# Allegro board 1156197-TDI_VU3P_QSFP28_CXP_V001_1023A-166-20241121_1644_PCB.brd (continued)
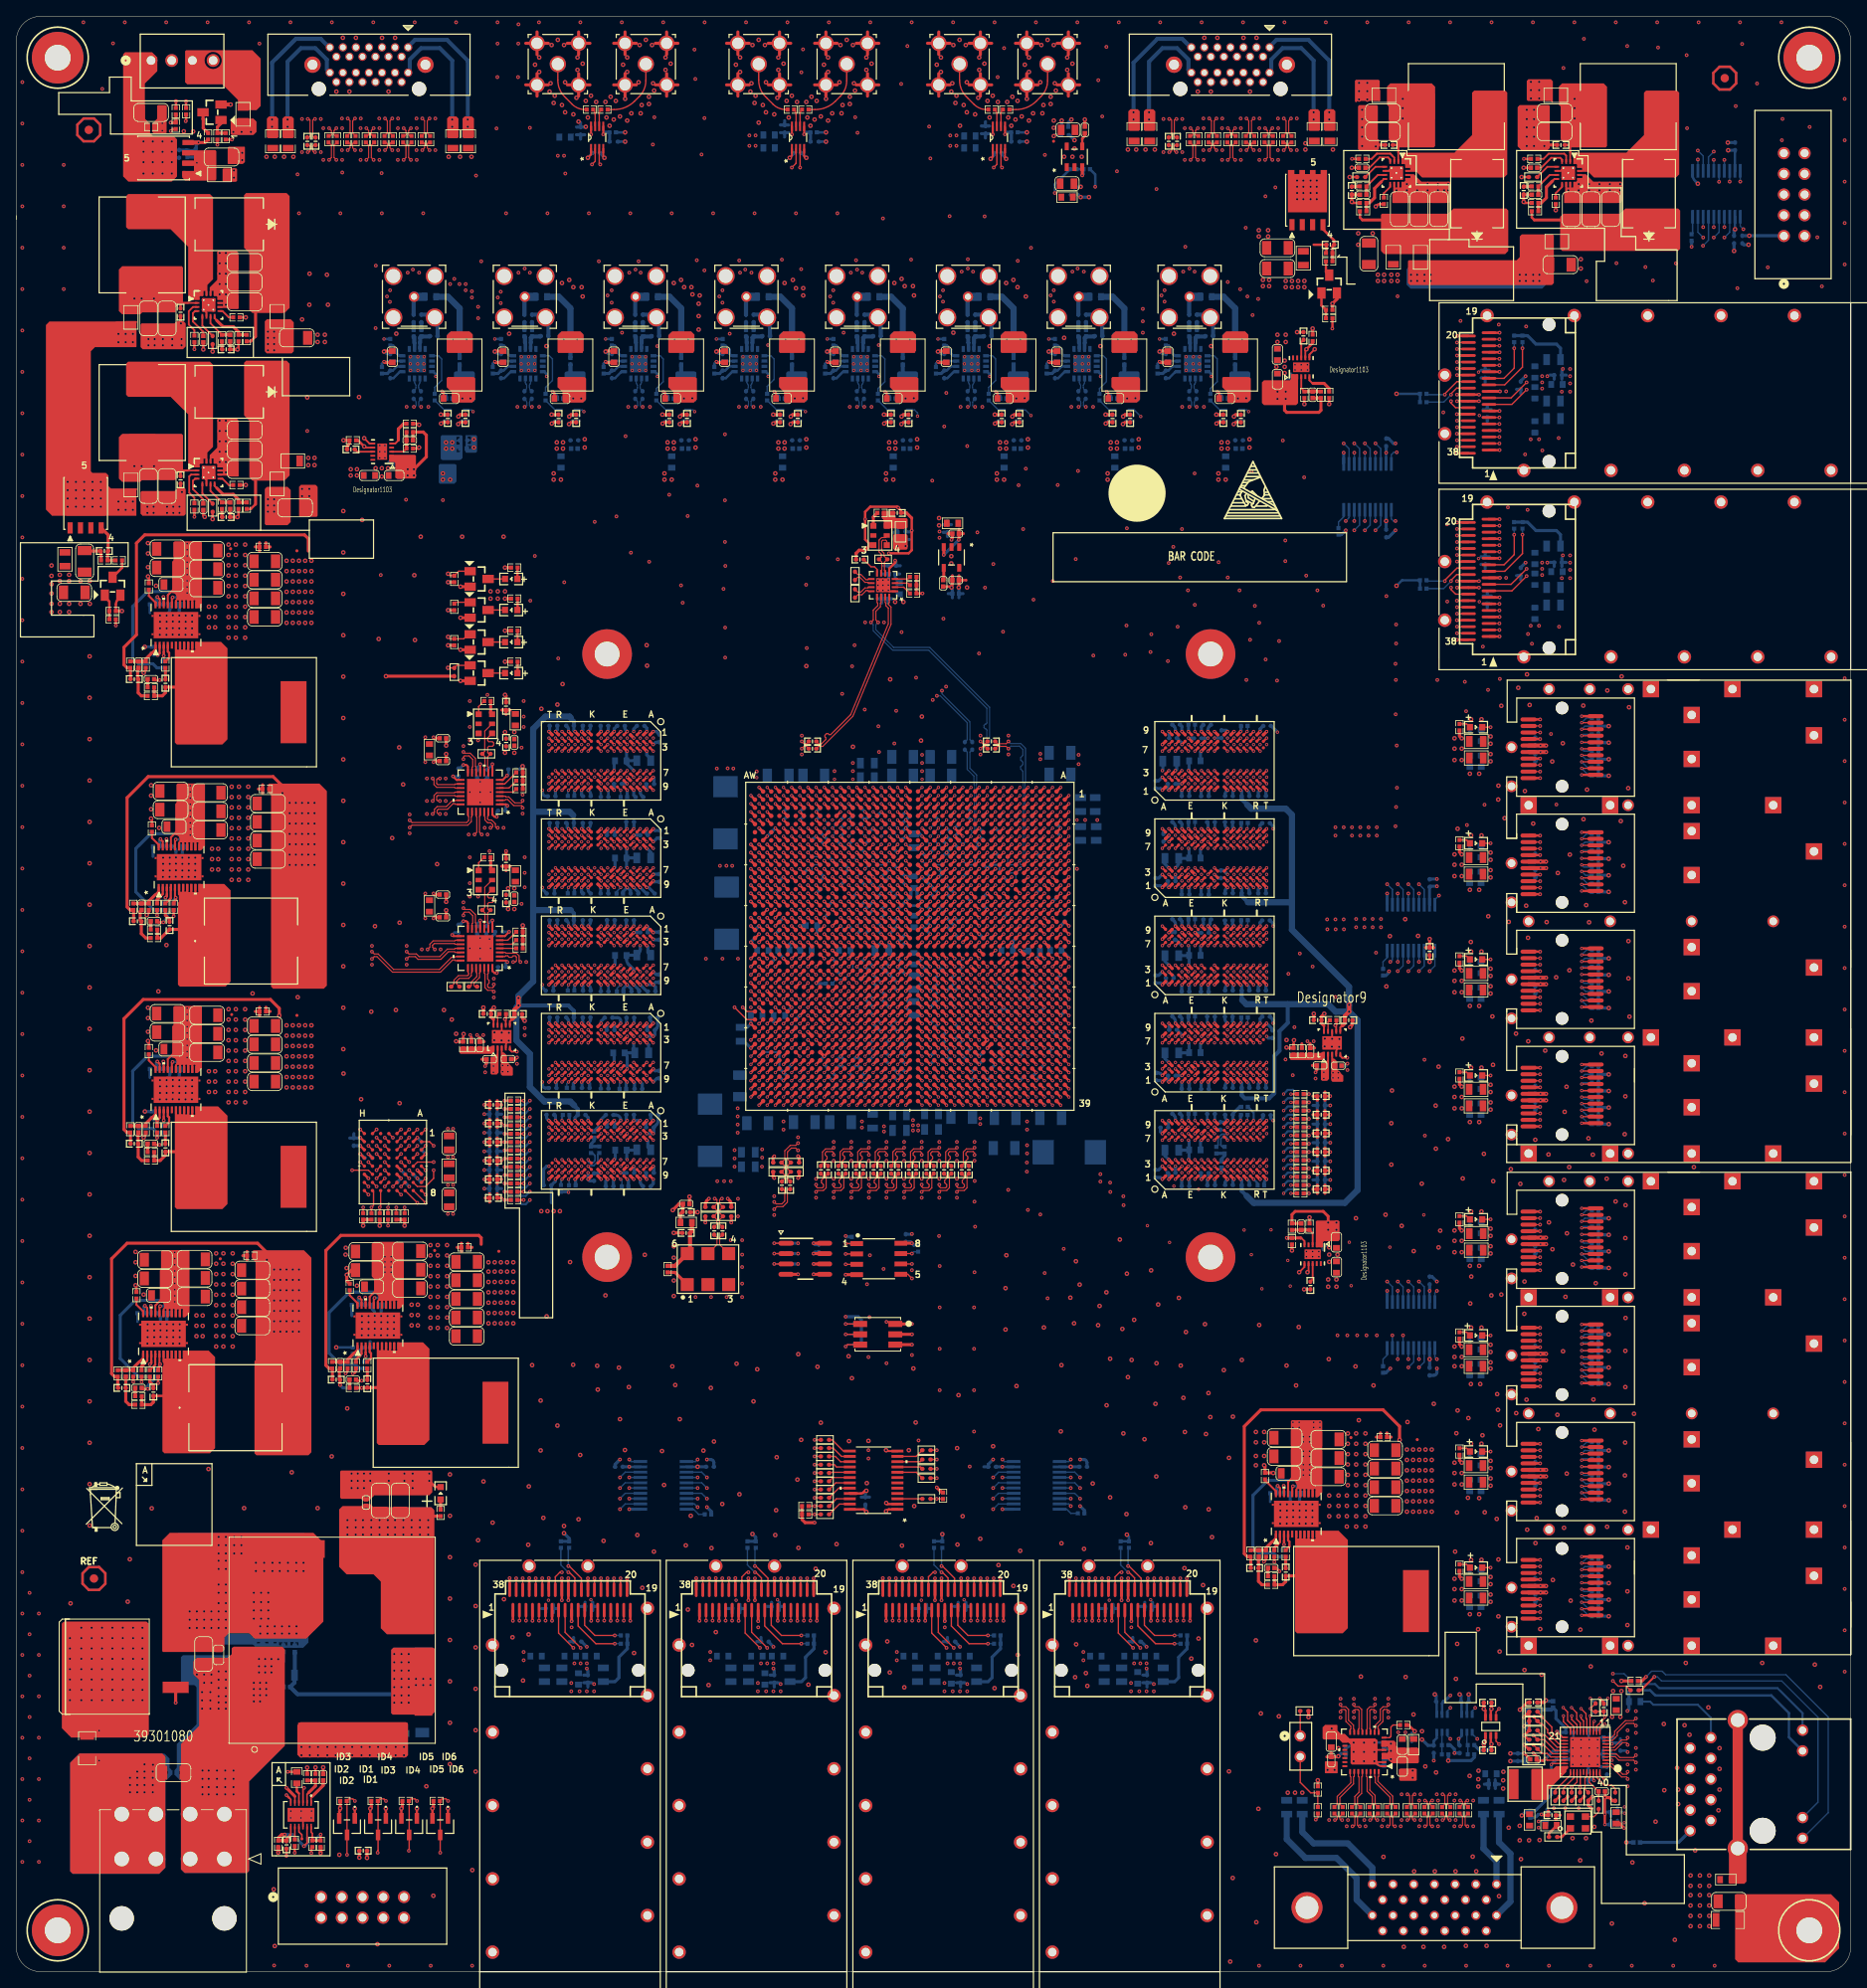
[diagram p0: board, top side]
## Nets (continued)
GND_EARTH: C787.1(CAP2) C798.2(CAP1) C799.1 MH2.1 R427.1 R428.2 U54.5(SHIELD1) U54.6(SHIELD2)
GND_FPGA_LAN: J25.17(SHELL_GND#17) J25.18(SHELL_GND#18) L68.2
VCC1V8: C1.1(CAP2) C4.1 C5.1 C6.1(CAP2) C7.1(CAP2) C8.1 C9.1 C10.1(CAP2) C11.1(CAP2) C12.1(CAP2) C20.1 C21.1(CAP2) C22.1(CAP2) C23.1(CAP2) C24.1 C25.1(CAP2) C28.1 C29.1(CAP2) C30.1(CAP2) C31.1(CAP2) C32.1 C33.1 C34.1(CAP2) C35.1(CAP2) C43.1(CAP2) C235.1 C436.1(CAP2) C460.1(CAP2) C482.1(CAP2) C500.1(CAP2) C518.1(CAP2) C538.1(CAP2) C540.1(CAP2) C563.1(CAP2) C564.1(CAP2) C585.1(CAP2) C589.1(CAP2) C609.1(CAP2) C610.1(CAP2) C627.1(CAP2) C628.1(CAP2) C685.2(CAP1) C688.1(CAP2) C689.1(CAP2) C690.1(CAP2) C691.1(CAP2) C743.1 C744.1 C755.1 C756.1 C878.1(CAP2) C884.1(CAP2) C886.1(CAP2) C888.1(CAP2) C920.1(CAP2) C922.1(CAP2) D1.2 D2.2 D3.2 D4.2 J1.4 L1.1 L3.1 L5.2 L64.1 L75.2 R2.1 R3.1 R5.1 R10.1 R11.1 R13.1 R15.1 R17.2 R18.2 R19.2 R20.2 R22.1 R23.1 R24.1 R25.1 R26.1 R27.1 R28.1 R32.1 R34.1 R38.1 R39.1 R43.2 R45.1 R47.2 R52.1 R53.1 R54.1 R55.1 R56.1 R57.1 R188.1 R222.1 R244.1 R253.1 R262.1 R311.2 R320.2 R322.2 R324.2 R326.2 R358.2 R365.2 R368.2 R498.1 R499.1 R500.1 R549.1 R553.1 R557.1 R601.1 R603.1 TP51.1(PIN1) U1.A26(VCCO0_45) U1.AA9(VCCO0_0) U1.AF8(VBATT) U1.AF29(VCCO0_65) U1.AG26(VCCO0_64) U1.AH23(VCCO1_64) U1.AJ30(VCCO1_65) U1.AK27(VCCO2_64) U1.AL24(VCCO3_64) U1.AM31(VCCO2_65) U1.AN28(VCCO3_65) U1.AP25(VCCO4_64) U1.AR22(VCCO5_64) U1.AR32(VCCO4_65) U1.AT29(VCCO5_65) U1.AU26(VCCO6_64) U1.AV23(VCCO7_64) U1.AW30(VCCO6_65) U1.B23(VCCO1_45) U1.C30(VCCO0_44) U1.D27(VCCO2_45) U1.E24(VCCO3_45) U1.F31(VCCO1_44) U1.G28(VCCO2_44) U1.H25(VCCO4_45) U1.J32(VCCO3_44) U1.K29(VCCO4_44) U1.L26(VCCO5_45) U1.M23(VCCO6_45) U1.N30(VCCO5_44) U1.P27(VCCO6_44) U1.W9(VCCO1_0) U2.8(VCC) U4.2(VCCA) U6.8(VS) U19.2(VCCA) U20.2(VCCA) U21.2(VCCA) U22.2(VCCA) U23.2(VCCA) U24.6(VCCB) U25.6(VCCB) U28.6(VCCB) U29.6(VCCB) U32.6(VCCB) U33.6(VCCB) U36.6(VCCB) U37.6(VCCB) U41.6(VCCB) U49.6(SS_CTRL) U49.9(IN) U49.10(IN_1) U51.6(SS_CTRL) U51.9(IN) U51.10(IN_1) U63.24(VCC) U64.1(VCCA) U65.1(VCCA) U66.1(VCCA) U69.1(VCCA) U70.1(VCCA)
VCC3V3: C26.1(CAP2) C27.1(CAP2) C41.1(CAP2) C42.1 C427.1 C428.1(CAP2) C432.1 C433.1(CAP2) C437.1(CAP2) C438.1 C439.1(CAP2) C444.1 C445.1(CAP2) C450.1 C451.1(CAP2) C453.1 C458.1(CAP2) C461.1(CAP2) C464.1 C465.1(CAP2) C470.1 C471.1(CAP2) C476.1 C477.1(CAP2) C485.1(CAP2) C486.1 C487.1(CAP2) C494.1 C495.1(CAP2) C503.1(CAP2) C504.1 C505.1(CAP2) C512.1 C513.1(CAP2) C519.1(CAP2) C522.1 C523.1(CAP2) C626.2(CAP1) C632.1(CAP2) C639.1 C700.2(CAP1) C703.1(CAP2) C704.1(CAP2) C705.1(CAP2) C706.1(CAP2) C748.1 C749.1 C761.1(CAP2) C852.1(CAP2) C853.1 C854.1 C859.1(CAP2) C860.1 C861.1 C869.1(CAP2) C870.1 C871.1 C889.2(CAP1) C919.2(CAP1) C923.2(CAP1) J2.1 J2.2 L4.2 L6.1 L7.1 L8.1 L9.1 L10.1 L11.1 L12.1 L13.1 L14.1 L15.1 L16.1 L17.1 L18.1 L19.1 L20.1 L21.1 L22.1 L23.1 L24.1 L25.1 L26.1 L27.1 L28.1 L29.1 L30.1 L31.1 L32.1 L33.1 L34.1 L35.1 L36.1 L37.1 L38.1 L39.1 L65.1 L70.1 L71.1 L76.1 L79.1 L103.2 L104.1 L105.2 L106.1 L107.2 L108.1 L109.1 L111.1 L112.1 L114.1 R7.1 R50.1 R51.1 R170.1 R171.1 R172.1 R173.1 R174.1 R175.1 R176.1 R177.1 R178.1 R179.1 R180.1 R181.1 R182.1 R183.1 R184.1 R185.1 R186.1 R187.1 R189.1 R190.1 R191.1 R192.1 R193.1 R194.1 R195.1 R196.1 R197.1 R198.1 R199.1 R200.1 R201.1 R202.1 R203.2 R204.2 R205.2 R206.2 R207.1 R208.1 R209.1 R210.1 R211.1 R212.1 R213.1 R214.1 R215.1 R216.1 R217.1 R218.1 R219.1 R220.1 R221.1 R223.1 R224.1 R225.1 R226.1 R227.1 R228.1 R229.1 R230.1 R231.1 R232.1 R233.1 R234.1 R235.1 R236.1 R237.1 R238.1 R239.1 R240.2 R241.2 R242.2 R243.2 R245.1 R246.1 R247.1 R248.1 R249.1 R250.1 R251.1 R252.1 R254.1 R255.1 R256.1 R257.1 R258.1 R259.1 R260.1 R261.1 R263.1 R264.1 R265.1 R266.1 R267.1 R268.1 R269.1 R270.1 R312.2 R315.2 R328.2 R329.2 R330.1 R370.2 R380.1 R406.1 R578.1 R586.1 TP53.1(PIN1) U4.19(VCCB) U19.19(VCCB) U20.19(VCCB) U21.19(VCCB) U22.19(VCCB) U23.19(VCCB) U41.1(VCCA) U50.6(SS_CTRL) U50.7(EN) U50.9(IN) U50.10(IN_1) U69.6(VCCB) U70.6(VCCB)
VCC5V: C780.1(CAP2) C781.1(CAP2) L110.1 L113.1 R426.2 TP62.1(PIN1) U53.5(VOUT)
VCC12V: C654.1(CAP2) C662.1(CAP2) C663.1(CAP2) C664.1(CAP2) C665.1(CAP2) C666.1(CAP2) C671.1(CAP2) C678.1(CAP2) C679.1(CAP2) C680.1(CAP2) C681.1(CAP2) C682.1(CAP2) C686.1(CAP2) C693.1(CAP2) C694.1(CAP2) C695.1(CAP2) C696.1(CAP2) C697.1(CAP2) C701.1(CAP2) C708.1(CAP2) C709.1(CAP2) C710.1(CAP2) C711.1(CAP2) C712.1(CAP2) C716.1(CAP2) C723.1(CAP2) C724.1(CAP2) C725.1(CAP2) C726.1(CAP2) C727.1(CAP2) C731.1(CAP2) C738.1(CAP2) C739.1(CAP2) C740.1(CAP2) C741.1(CAP2) C742.1(CAP2) C772.1(CAP2) C795.1 C796.1 C797.2(CAP1) C905.1(CAP2) C906.1(CAP2) L82.1 L115.1 L117.1 L118.1 R345.1 R429.1 TP64.1(PIN1) U43.12(VIN) U43.13(VIN_1) U43.14(VIN_2) U43.15(VIN_3) U43.16(VIN_4) U43.17(VIN_5) U43.19(VDD) U44.12(VIN) U44.13(VIN_1) U44.14(VIN_2) U44.15(VIN_3) U44.16(VIN_4) U44.17(VIN_5) U44.19(VDD) U45.12(VIN) U45.13(VIN_1) U45.14(VIN_2) U45.15(VIN_3) U45.16(VIN_4) U45.17(VIN_5) U45.19(VDD) U46.12(VIN) U46.13(VIN_1) U46.14(VIN_2) U46.15(VIN_3) U46.16(VIN_4) U46.17(VIN_5) U46.19(VDD) U47.12(VIN) U47.13(VIN_1) U47.14(VIN_2) U47.15(VIN_3) U47.16(VIN_4) U47.17(VIN_5) U47.19(VDD) U48.12(VIN) U48.13(VIN_1) U48.14(VIN_2) U48.15(VIN_3) U48.16(VIN_4) U48.17(VIN_5) U48.19(VDD) U54.7(QPI+1) U54.8(QPI+2) U54.9(QPI+3) U54.10(THERM1)
VCC12V_BST1: C807.1 C808.1 C809.1 C810.1(CAP2) L89.2 L90.1 R439.2 U56.2(VIN)
VCC12V_BST2: C818.1 C819.1 C820.1 C825.1(CAP2) L93.2 L94.1 R447.2 U57.2(VIN)
VCC12V_BST3: C829.1 C830.1 C831.1 C835.1(CAP2) L96.2 L97.1 R454.2 U58.2(VIN)
VCC12V_BST4: C840.1 C841.1 C842.1 C847.1(CAP2) L100.2 L101.1 R460.2 U59.2(VIN)
VCC12V_IN: C787.2(CAP1) C788.1 C789.1 C790.2(CAP1) C791.2(CAP1) C792.2(CAP1) C793.1 C794.2(CAP1) C802.1 C803.1 C804.2(CAP1) Q5.S R432.2 R434.2 TP63.1(PIN1) U54.11(THERM2) U54.12(BUS+1) U54.13(BUS+2) U54.14(BUS+3) U55.3(OUT)
VCC12V_IN_CON: C800.1 C801.2(CAP1) J26.3(PWR#3) J26.4(PWR#4) J26.7(PWR#7) J26.8(PWR#8) R430.2 R433.2 R435.1 U55.6(VCC)
VCC_1V8_EN: R371.1 U45.2(EN)
VCC_1V8_GOOD: R367.2 R372.2 U45.3(PGOOD)
VCC_3V3_EN: R372.1 U46.2(EN)
VCC_3V3_GOOD: R381.2 R383.2 U46.3(PGOOD)
VDD10: C634.1 C637.1 C638.1(CAP2) L66.1 L69.1 L72.1
100M_N: C37.2(CAP1) U5.5(OUT-)
100M_P: C36.2(CAP1) U5.4(OUT+)
125M_N: R476.2 U61.10(IN0_N) X2.5(CLKN)
125M_P: R476.1 U61.9(IN0_P) X2.4(CLKP)
156M25_N: R483.2 U62.10(IN0_N) X3.5(CLKN)
156M25_P: R483.1 U62.9(IN0_P) X3.4(CLKP)
CHA_1V25_CXP1: C535.2(CAP1) C539.2(CAP1) C541.2(CAP1) C766.1 C768.1(CAP2) L41.2 L80.2 R274.2 U24.1(VCCA) U26.8(TEST0) U26.15(VCC)
CHA_1V25_CXP2: C533.2(CAP1) C536.2(CAP1) C537.2(CAP1) C770.1 C773.1(CAP2) L40.2 L83.2 R273.2 U25.1(VCCA) U27.8(TEST0) U27.15(VCC)
CHA_1V25_CXP3: C559.2(CAP1) C562.2(CAP1) C565.2(CAP1) C776.1 C778.1(CAP2) L47.2 L85.2 R284.2 U28.1(VCCA) U30.8(TEST0) U30.15(VCC)
CHA_1V25_CXP4: C557.2(CAP1) C560.2(CAP1) C561.2(CAP1) C782.1 C785.1(CAP2) L46.2 L87.2 R283.2 U29.1(VCCA) U31.8(TEST0) U31.15(VCC)
CHA_1V25_CXP5: C583.2(CAP1) C586.2(CAP1) C587.2(CAP1) C767.1 C769.1(CAP2) L53.2 L81.2 R294.2 U32.1(VCCA) U34.8(TEST0) U34.15(VCC)
CHA_1V25_CXP6: C581.2(CAP1) C584.2(CAP1) C588.2(CAP1) C771.1 C774.1(CAP2) L52.2 L84.2 R293.2 U33.1(VCCA) U35.8(TEST0) U35.15(VCC)
CHA_1V25_CXP7: C607.2(CAP1) C611.2(CAP1) C613.2(CAP1) C777.1 C779.1(CAP2) L59.2 L86.2 R304.2 U37.1(VCCA) U38.8(TEST0) U38.15(VCC)
CHA_1V25_CXP8: C605.2(CAP1) C608.2(CAP1) C612.2(CAP1) C783.1 C786.1(CAP2) L58.2 L88.2 R303.2 U36.1(VCCA) U39.8(TEST0) U39.15(VCC)
CHA_12V_FAN: C900.1(CAP2) C901.1(CAP2) J36.1(P1) Q6.5 Q6.6 Q6.7 Q6.8 R583.1 TP73.1(PIN1)
CHA_24V_1: C811.1 C812.1 C813.1 D5.1 L91.1 L92.1 R440.2 TP67.1(PIN1)
CHA_24V_2: C821.1 C822.1 C823.1 D6.1 L95.1 R446.2 TP68.1(PIN1)
CHA_24V_3: C832.1 C833.1 C834.1 D7.1 L98.1 L99.1 R453.2 TP69.1(PIN1)
CHA_24V_4: C843.1 C844.1 C846.1 D8.1 L102.1 R461.2 TP70.1(PIN1)
CHA_AGND: C2.2(CAP1) C3.2(CAP1) L2.2 U1.AA16(VREFP) U1.W15(GNDADC) U1.Y15(VREFN)
CHA_BPI_FLASH_A0: TP5.1(PIN1) U1.AK29(IO_L16P_T2U_N6_QBC_AD3P_A00_D16) U3.A1
CHA_BPI_FLASH_A1: U1.AK30(IO_L16N_T2U_N7_QBC_AD3N_A01_D17) U3.B1(A2)
CHA_BPI_FLASH_A2: U1.AK28(IO_L15P_T2L_N4_AD11P_A02_D18_65) U3.C1(A3)
CHA_BPI_FLASH_A3: U1.AL28(IO_L15N_T2L_N5_AD11N_A03_D19_65) U3.D1(A4)
CHA_BPI_FLASH_A4: U1.AL30(IO_L14P_T2L_N2_GC_A04_D20_65) U3.D2(A5)
CHA_BPI_FLASH_A5: U1.AM30(IO_L14N_T2L_N3_GC_A05_D21_65) U3.A2(A6)
CHA_BPI_FLASH_A6: U1.AL32(IO_L13P_T2L_N0_GC_QBC_A06_D22_6) U3.C2(A7)
CHA_BPI_FLASH_A7: U1.AM32(IO_L13N_T2L_N1_GC_QBC_A07_D23_6) U3.A3(A8)
CHA_BPI_FLASH_A8: U1.AP31(IO_L12P_T1U_N10_GC_A08_D24_65) U3.B3(A9)
CHA_BPI_FLASH_A9: U1.AP32(IO_L12N_T1U_N11_GC_A09_D25_65) U3.C3(A10)
CHA_BPI_FLASH_A10: U1.AN30(IO_L11P_T1U_N8_GC_A10_D26_65) U3.D3(A11)
CHA_BPI_FLASH_A11: U1.AN31(IO_L11N_T1U_N9_GC_A11_D27_65) U3.C4(A12)
CHA_BPI_FLASH_A12: U1.AN29(IO_L10P_T1U_N6_QBC_AD4P_A12_D28) U3.A5(A13)
CHA_BPI_FLASH_A13: U1.AP29(IO_L10N_T1U_N7_QBC_AD4N_A13_D29) U3.B5(A14)
CHA_BPI_FLASH_A14: U1.AN32(IO_L9P_T1L_N4_AD12P_A14_D30_65) U3.C5(A15)
CHA_BPI_FLASH_A15: U1.AN33(IO_L9N_T1L_N5_AD12N_A15_D31_65) U3.D7(A16)
CHA_BPI_FLASH_A16: U1.AR29(IO_L8P_T1L_N2_AD5P_A16_65) U3.D8(A17)
CHA_BPI_FLASH_A17: U1.AR30(IO_L8N_T1L_N3_AD5N_A17_65) U3.A7(A18)
CHA_BPI_FLASH_A18: U1.AP28(IO_L7P_T1L_N0_QBC_AD13P_A18_65) U3.B7(A19)
CHA_BPI_FLASH_A19: U1.AR28(IO_L7N_T1L_N1_QBC_AD13N_A19_65) U3.C7(A20)
CHA_BPI_FLASH_A20: U1.AR31(IO_L6P_T0U_N10_AD6P_A20_65) U3.C8(A21)
CHA_BPI_FLASH_A21: U1.AT31(IO_L6N_T0U_N11_AD6N_A21_65) U3.A8(A22)
CHA_BPI_FLASH_A22: U1.AV31(IO_L5P_T0U_N8_AD14P_A22_65) U3.G1(A23)
CHA_BPI_FLASH_A23: U1.AW31(IO_L5N_T0U_N9_AD14N_A23_65) U3.H8(A24)
CHA_BPI_FLASH_A24: U1.AT30(IO_L4P_T0U_N6_DBC_AD7P_A24_65) U3.B6(A25)
CHA_BPI_FLASH_A25: U1.AU30(IO_L4N_T0U_N7_DBC_AD7N_A25_65) U3.B8(A26)
CHA_BPI_FLASH_A26: U1.AT28(IO_L3P_T0L_N4_AD15P_A26_65) U3.H1(A27)
CHA_BPI_FLASH_ADV_B: R26.2 TP6.1(PIN1) U1.AM33(IO_T2U_N12_CSI_ADV_B_65) U3.F6(ADV_B)
CHA_BPI_FLASH_CE_B: R24.2 U1.AE8(RDWR_FCS_B_0) U3.B4(CE_B)
CHA_BPI_FLASH_CLK: R1.1 TP8.1(PIN1) U3.E6(CLK)
CHA_BPI_FLASH_D0: U1.AB8(D00_MOSI_0) U3.F2(DQ0)
CHA_BPI_FLASH_D1: U1.AD8(D01_DIN_0) U3.E2(DQ1)
CHA_BPI_FLASH_D2: U1.Y8(D02_0) U3.G3(DQ2)
CHA_BPI_FLASH_D3: U1.AC8(D03_0) U3.E4(DQ3)
CHA_BPI_FLASH_D4: TP7.1(PIN1) U1.AF30(IO_L22P_T3U_N6_DBC_AD0P_D04_65) U3.E5(DQ4)
CHA_BPI_FLASH_D5: U1.AG30(IO_L22N_T3U_N7_DBC_AD0N_D05_65) U3.G5(DQ5)
CHA_BPI_FLASH_D6: U1.AF28(IO_L21P_T3L_N4_AD8P_D06_65) U3.G6(DQ6)
CHA_BPI_FLASH_D7: U1.AG28(IO_L21N_T3L_N5_AD8N_D07_65) U3.H7(DQ7)
CHA_BPI_FLASH_D8: U1.AH30(IO_L20P_T3L_N2_AD1P_D08_65) U3.E1(DQ8)
CHA_BPI_FLASH_D9: U1.AH31(IO_L20N_T3L_N3_AD1N_D09_65) U3.E3(DQ9)
CHA_BPI_FLASH_D10: U1.AG27(IO_L19P_T3L_N0_DBC_AD9P_D10_65) U3.F3(DQ10)
CHA_BPI_FLASH_D11: U1.AH27(IO_L19N_T3L_N1_DBC_AD9N_D11_65) U3.F4(DQ11)
CHA_BPI_FLASH_D12: U1.AK31(IO_L18P_T2U_N10_AD2P_D12_65) U3.F5(DQ12)
CHA_BPI_FLASH_D13: U1.AL31(IO_L18N_T2U_N11_AD2N_D13_65) U3.H5(DQ13)
CHA_BPI_FLASH_D14: U1.AM28(IO_L17P_T2U_N8_AD10P_D14_65) U3.G7(DQ14)
CHA_BPI_FLASH_D15: U1.AM29(IO_L17N_T2U_N9_AD10N_D15_65) U3.E7(DQ15)
CHA_BPI_FLASH_OE_B: R25.2 TP3.1(PIN1) U1.AV29(IO_L2P_T0L_N2_FOE_B_65) U3.F8(OE_B)
CHA_BPI_FLASH_RST_B: R4.1 U3.D4(RST_B)
CHA_BPI_FLASH_WAIT: R29.2 U1.AU29(IO_T0U_N12_VRP_A28_65)
CHA_BPI_FLASH_WE_B: R28.2 TP4.1(PIN1) U1.AV30(IO_L2N_T0L_N3_FWE_FCS2_B_65) U3.G8(WE_B)
CHA_CXP1_TXLF: R280.2 U24.3(A)
CHA_CXP1_TXLF_1V8: U1.D23(IO_L5P_T0U_N8_AD14P_45) U24.4(B)
CHA_CXP2_1V25: C757.2(CAP1) C758.1 C759.1 L81.1 L84.1 L86.1 L88.1 R418.1 R419.1 R420.2 TP60.1(PIN1) U51.1(OUT) U51.2(OUT_1)
CHA_CXP2_1V25_EN: R422.2 U1.C27(IO_L6N_T0U_N11_AD6N_45) U51.7(EN)
CHA_CXP2_24V_PWREN: R598.2 U1.B25(IO_L4P_T0U_N6_DBC_AD7P_45)
CHA_CXP2_TXLF: R279.2 U25.3(A)
CHA_CXP2_TXLF_1V8: U1.C23(IO_L5N_T0U_N9_AD14N_45) U25.4(B)
CHA_CXP3_TXLF: R290.2 U28.3(A)
CHA_CXP3_TXLF_1V8: U1.C24(IO_L3P_T0L_N4_AD15P_45) U28.4(B)
CHA_CXP4_TXLF: R289.2 U29.3(A)
CHA_CXP4_TXLF_1V8: U1.A24(IO_L1N_T0L_N1_DBC_45) U29.4(B)
CHA_CXP5_TXLF: R300.2 U32.3(A)
CHA_CXP5_TXLF_1V8: U1.C26(IO_L6P_T0U_N10_AD6P_45) U32.4(B)
CHA_CXP6_TXLF: R299.2 U33.3(A)
CHA_CXP6_TXLF_1V8: U1.A25(IO_L4N_T0U_N7_DBC_AD7N_45) U33.4(B)
CHA_CXP7_TXLF: R310.2 U37.3(A)
CHA_CXP7_TXLF_1V8: U1.B26(IO_L2P_T0L_N2_45) U37.4(B)
CHA_CXP8_TXLF: R309.2 U36.3(A)
CHA_CXP8_TXLF_1V8: U1.B27(IO_L2N_T0L_N3_45) U36.4(B)
CHA_CXP_1V25: C745.2(CAP1) C746.1 C747.1 L80.1 L83.1 L85.1 L87.1 R409.1 R411.1 R412.2 TP58.1(PIN1) U49.1(OUT) U49.2(OUT_1)
CHA_CXP_1V25_EN: R417.2 U1.B24(IO_L3N_T0L_N5_AD15N_45) U49.7(EN)
CHA_CXP_24V_1: C530.2(CAP1) C531.2(CAP1) C532.2(CAP1) C534.2(CAP1) C814.1 L42.2 L43.2 L91.2 R271.2 R272.2
CHA_CXP_24V_2: C554.2(CAP1) C555.2(CAP1) C556.2(CAP1) C558.2(CAP1) C824.1 L48.2 L49.2 L92.2 L95.2 R281.2 R282.2
CHA_CXP_24V_3: C578.2(CAP1) C579.2(CAP1) C580.2(CAP1) C582.2(CAP1) C836.1 L54.2 L55.2 L98.2 R291.2 R292.2
CHA_CXP_24V_4: C602.2(CAP1) C603.2(CAP1) C604.2(CAP1) C606.2(CAP1) C845.1 L60.2 L61.2 L99.2 L102.2 R301.2 R302.2
CHA_CXP_24V_PWREN: R594.2 U1.A23(IO_L1P_T0L_N0_DBC_45)
CHA_DDR4_2V5: C236.1(CAP2) C237.1(CAP2) C263.1(CAP2) C264.1(CAP2) C278.1(CAP2) C279.1(CAP2) C280.1(CAP2) C281.1(CAP2) C313.2(CAP1) C325.1(CAP2) C326.1(CAP2) C330.1(CAP2) C331.1(CAP2) C357.1(CAP2) C358.1(CAP2) C372.1(CAP2) C373.1(CAP2) C374.1(CAP2) C375.1(CAP2) C407.2(CAP1) C419.1(CAP2) C420.1(CAP2) C750.2(CAP1) C751.1 C752.1 R112.1 R154.1 R410.1 R413.1 R414.1 TP59.1(PIN1) U7.B1(VPP1) U7.R9(VPP2) U8.B1(VPP1) U8.R9(VPP2) U9.B1(VPP1) U9.R9(VPP2) U10.B1(VPP1) U10.R9(VPP2) U11.B1(VPP1) U11.R9(VPP2) U12.7(EN) U12.10(VIN) U13.B1(VPP1) U13.R9(VPP2) U14.B1(VPP1) U14.R9(VPP2) U15.B1(VPP1) U15.R9(VPP2) U16.B1(VPP1) U16.R9(VPP2) U17.B1(VPP1) U17.R9(VPP2) U18.7(EN) U18.10(VIN) U50.1(OUT) U50.2(OUT_1)
CHA_DDR4_C1_VREF: C250.1(CAP2) C265.1(CAP2) C282.1(CAP2) C283.1(CAP2) C327.1(CAP2) C328.1(CAP2) U7.M1(VREFCA) U8.M1(VREFCA) U9.M1(VREFCA) U10.M1(VREFCA) U11.M1(VREFCA) U12.6(REFOUT)
CHA_DDR4_C1_VTT: C308.1(CAP2) C309.1(CAP2) C310.1(CAP2) C311.1(CAP2) C312.1(CAP2) C314.1(CAP2) C316.1(CAP2) C317.1(CAP2) C318.1(CAP2) C319.1(CAP2) C320.1(CAP2) C321.1 C322.1 R92.1 R95.2 R96.2 R97.2 R98.2 R99.2 R100.2 R101.2 R102.2 R103.2 R104.2 R105.2 R106.2 R107.2 R108.2 R109.2 R110.2 R113.2 R114.2 R116.2 R117.2 R118.2 R119.2 R120.2 R122.2 R124.2 U12.3(VO) U12.5(VOSEN)
CHA_DDR4_C2_VREF: C344.1(CAP2) C359.1(CAP2) C376.1(CAP2) C377.1(CAP2) C421.1(CAP2) C422.1(CAP2) U13.M1(VREFCA) U14.M1(VREFCA) U15.M1(VREFCA) U16.M1(VREFCA) U17.M1(VREFCA) U18.6(REFOUT)
CHA_DDR4_C2_VTT: C402.1(CAP2) C403.1(CAP2) C404.1(CAP2) C405.1(CAP2) C406.1(CAP2) C408.1(CAP2) C410.1(CAP2) C411.1(CAP2) C412.1(CAP2) C413.1(CAP2) C414.1(CAP2) C415.1 C416.1 R135.1 R138.2 R139.2 R140.2 R141.2 R142.2 R143.2 R144.2 R145.2 R146.2 R147.2 R148.2 R149.2 R150.2 R151.2 R152.2 R153.2 R156.2 R157.2 R159.2 R160.2 R161.2 R162.2 R163.2 R165.2 R167.2 U18.3(VO) U18.5(VOSEN)
CHA_DDR4_CLK1_N_200M: C55.2(CAP1) R64.1 R66.1 R68.2 TP12.1(PIN1) U1.AM9(IO_L12N_T1U_N11_GC_68)
CHA_DDR4_CLK1_P_200M: C54.2(CAP1) R64.2 R65.1 R67.2 TP11.1(PIN1) U1.AM10(IO_L12P_T1U_N10_GC_68)
CHA_DDR4_CLK2_N_200M: C72.2(CAP1) R75.1 R77.1 R79.2 TP14.1(PIN1) U1.G10(IO_L12N_T1U_N11_GC_47)
CHA_DDR4_CLK2_P_200M: C71.2(CAP1) R75.2 R76.1 R78.2 TP13.1(PIN1) U1.G11(IO_L12P_T1U_N10_GC_47)
CHA_DEBUG_LED0: Q2.1(GATE) R58.2 U1.AF26(IO_T3U_N12_64)
CHA_DEBUG_LED1: Q3.1(GATE) R59.2 U1.AT23(IO_T1U_N12_64)
CHA_FAN_FG: R586.2 R589.1 U4.13(B7)
CHA_FAN_FG_1V8: U1.F33(IO_T2U_N12_44) U4.8(A7)
CHA_FAN_PWM: R590.1 U4.12(B8)
CHA_FAN_PWM_1V8: U1.H31(IO_L12N_T1U_N11_GC_44) U4.9(A8)
CHA_FAN_PWREN: R587.2 U1.K27(IO_T2U_N12_45)
CHA_FPGA_DDR4_C1_A0: R95.1 U1.AH9(IO_L4N_T0U_N7_DBC_AD7N_68) U7.P3(A0) U8.P3(A0) U9.P3(A0) U10.P3(A0) U11.P3(A0)
CHA_FPGA_DDR4_C1_A1: R96.1 U1.AL10(IO_L9N_T1L_N5_AD12N_68) U7.P7(A1) U8.P7(A1) U9.P7(A1) U10.P7(A1) U11.P7(A1)
CHA_FPGA_DDR4_C1_A2: R97.1 U1.AJ11(IO_L6P_T0U_N10_AD6P_68) U7.R3(A2) U8.R3(A2) U9.R3(A2) U10.R3(A2) U11.R3(A2)
CHA_FPGA_DDR4_C1_A3: R98.1 U1.AR8(IO_L13N_T2L_N1_GC_QBC_68) U7.N7(A3) U8.N7(A3) U9.N7(A3) U10.N7(A3) U11.N7(A3)
CHA_FPGA_DDR4_C1_A4: R99.1 U1.AJ9(IO_L2P_T0L_N2_68) U7.N3(A4) U8.N3(A4) U9.N3(A4) U10.N3(A4) U11.N3(A4)
CHA_FPGA_DDR4_C1_A5: R100.1 U1.AM12(IO_T1U_N12_68) U7.P8(A5) U8.P8(A5) U9.P8(A5) U10.P8(A5) U11.P8(A5)
CHA_FPGA_DDR4_C1_A6: R101.1 U1.AH12(IO_L3P_T0L_N4_AD15P_68) U7.P2(A6) U8.P2(A6) U9.P2(A6) U10.P2(A6) U11.P2(A6)
CHA_FPGA_DDR4_C1_A7: R102.1 U1.AV9(IO_L19N_T3L_N1_DBC_AD9N_68) U7.R8(A7) U8.R8(A7) U9.R8(A7) U10.R8(A7) U11.R8(A7)
CHA_FPGA_DDR4_C1_A8: R103.1 U1.AJ12(IO_L3N_T0L_N5_AD15N_68) U7.R2(A8) U8.R2(A8) U9.R2(A8) U10.R2(A8) U11.R2(A8)
CHA_FPGA_DDR4_C1_A9: R104.1 U1.AG9(IO_L4P_T0U_N6_DBC_AD7P_68) U7.R7(A9) U8.R7(A9) U9.R7(A9) U10.R7(A9) U11.R7(A9)
CHA_FPGA_DDR4_C1_A10: R105.1 U1.AK10(IO_L6N_T0U_N11_AD6N_68) U7.M3(A10/AP) U8.M3(A10/AP) U9.M3(A10/AP) U10.M3(A10/AP) U11.M3(A10/AP)
CHA_FPGA_DDR4_C1_A11: R106.1 U1.AG10(IO_L5P_T0U_N8_AD14P_68) U7.T2(A11) U8.T2(A11) U9.T2(A11) U10.T2(A11) U11.T2(A11)
CHA_FPGA_DDR4_C1_A12: R107.1 U1.AM8(IO_L8N_T1L_N3_AD5N_68) U7.M7(A12/BC_N) U8.M7(A12/BC_N) U9.M7(A12/BC_N) U10.M7(A12/BC_N) U11.M7(A12/BC_N)
CHA_FPGA_DDR4_C1_A13: R108.1 U1.AW9(IO_T3U_N12_68) U7.T8(A13) U8.T8(A13) U9.T8(A13) U10.T8(A13) U11.T8(A13)
CHA_FPGA_DDR4_C1_ACT: R122.1 U1.AK9(IO_L2N_T0L_N3_68) U7.L3(ACT_B) U8.L3(ACT_B) U9.L3(ACT_B) U10.L3(ACT_B) U11.L3(ACT_B)
CHA_FPGA_DDR4_C1_ALERT: R92.2 R93.2 U1.AU14(IO_T3U_N12_67) U7.P9(ALERT_N) U8.P9(ALERT_N) U9.P9(ALERT_N) U10.P9(ALERT_N) U11.P9(ALERT_N)
CHA_FPGA_DDR4_C1_BA0: R109.1 U1.AH11(IO_L1N_T0L_N1_DBC_68) U7.N2(BA0) U8.N2(BA0) U9.N2(BA0) U10.N2(BA0) U11.N2(BA0)
CHA_FPGA_DDR4_C1_BA1: R110.1 U1.AL11(IO_L7N_T1L_N1_QBC_AD13N_68) U7.N8(BA1) U8.N8(BA1) U9.N8(BA1) U10.N8(BA1) U11.N8(BA1)
CHA_FPGA_DDR4_C1_BG0: R113.1 U1.AH10(IO_L5N_T0U_N9_AD14N_68) U7.M2(BG0) U8.M2(BG0) U9.M2(BG0) U10.M2(BG0) U11.M2(BG0)
CHA_FPGA_DDR4_C1_CAS: R117.1 U1.AN10(IO_L11P_T1U_N8_GC_68) U7.M8(CAS_N/A15) U8.M8(CAS_N/A15) U9.M8(CAS_N/A15) U10.M8(CAS_N/A15) U11.M8(CAS_N/A15)
CHA_FPGA_DDR4_C1_CK_N: R126.1 U1.AN7(IO_L10N_T1U_N7_QBC_AD4N_68) U7.K8(CK_C) U8.K8(CK_C) U9.K8(CK_C) U10.K8(CK_C) U11.K8(CK_C)
CHA_FPGA_DDR4_C1_CK_P: R125.1 U1.AM7(IO_L10P_T1U_N6_QBC_AD4P_68) U7.K7(CK_T) U8.K7(CK_T) U9.K7(CK_T) U10.K7(CK_T) U11.K7(CK_T)
CHA_FPGA_DDR4_C1_CKE: R120.1 U1.AL12(IO_L7P_T1L_N0_QBC_AD13P_68) U7.K2(CKE) U8.K2(CKE) U9.K2(CKE) U10.K2(CKE) U11.K2(CKE)
CHA_FPGA_DDR4_C1_CS: R114.1 U1.AN9(IO_L11N_T1U_N9_GC_68) U7.L7(CS_B) U8.L7(CS_B) U9.L7(CS_B) U10.L7(CS_B) U11.L7(CS_B)
CHA_FPGA_DDR4_C1_D0: U1.AJ14(IO_L5P_T0U_N8_AD14P_67) U7.G2(DQ0)
CHA_FPGA_DDR4_C1_D1: U1.AH17(IO_L6N_T0U_N11_AD6N_67) U7.F7(DQ1)
CHA_FPGA_DDR4_C1_D2: U1.AG15(IO_L2N_T0L_N3_67) U7.H3(DQ2)
CHA_FPGA_DDR4_C1_D3: U1.AJ17(IO_L3P_T0L_N4_AD15P_67) U7.H7(DQ3)
CHA_FPGA_DDR4_C1_D4: U1.AJ13(IO_L5N_T0U_N9_AD14N_67) U7.H2(DQ4)
CHA_FPGA_DDR4_C1_D5: U1.AF15(IO_L2P_T0L_N2_67) U7.H8(DQ5)
CHA_FPGA_DDR4_C1_D6: U1.AJ16(IO_L3N_T0L_N5_AD15N_67) U7.J3(DQ6)
CHA_FPGA_DDR4_C1_D7: U1.AG17(IO_L6P_T0U_N10_AD6P_67) U7.J7(DQ7)
CHA_FPGA_DDR4_C1_D8: U1.AM15(IO_L12N_T1U_N11_GC_67) U7.A3(DQ8)
CHA_FPGA_DDR4_C1_D9: U1.AL17(IO_L8P_T1L_N2_AD5P_67) U7.B8(DQ9)
CHA_FPGA_DDR4_C1_D10: U1.AM14(IO_L11P_T1U_N8_GC_67) U7.C3(DQ10)
CHA_FPGA_DDR4_C1_D11: U1.AN14(IO_L11N_T1U_N9_GC_67) U7.C7(DQ11)
CHA_FPGA_DDR4_C1_D12: U1.AL15(IO_L12P_T1U_N10_GC_67) U7.C2(DQ12)
CHA_FPGA_DDR4_C1_D13: U1.AM17(IO_L8N_T1L_N3_AD5N_67) U7.C8(DQ13)
CHA_FPGA_DDR4_C1_D14: U1.AL13(IO_L9P_T1L_N4_AD12P_67) U7.D3(DQ14)
CHA_FPGA_DDR4_C1_D15: TP15.1(PIN1) U1.AM13(IO_L9N_T1L_N5_AD12N_67) U7.D7(DQ15)
CHA_FPGA_DDR4_C1_D16: U1.AP14(IO_L15P_T2L_N4_AD11P_67) U8.G2(DQ0)
CHA_FPGA_DDR4_C1_D17: U1.AR15(IO_L17P_T2U_N8_AD10P_67) U8.F7(DQ1)
CHA_FPGA_DDR4_C1_D18: U1.AR14(IO_L15N_T2L_N5_AD11N_67) U8.H3(DQ2)
CHA_FPGA_DDR4_C1_D19: U1.AT15(IO_L17N_T2U_N9_AD10N_67) U8.H7(DQ3)
CHA_FPGA_DDR4_C1_D20: U1.AN16(IO_L14P_T2L_N2_GC_67) U8.H2(DQ4)
CHA_FPGA_DDR4_C1_D21: U1.AP17(IO_L18N_T2U_N11_AD2N_67) U8.H8(DQ5)
CHA_FPGA_DDR4_C1_D22: U1.AN15(IO_L14N_T2L_N3_GC_67) U8.J3(DQ6)
CHA_FPGA_DDR4_C1_D23: U1.AN17(IO_L18P_T2U_N10_AD2P_67) U8.J7(DQ7)
CHA_FPGA_DDR4_C1_D24: U1.AW14(IO_L23N_T3U_N9_67) U8.A3(DQ8)
CHA_FPGA_DDR4_C1_D25: U1.AW18(IO_L24P_T3U_N10_67) U8.B8(DQ9)
CHA_FPGA_DDR4_C1_D26: U1.AV15(IO_L21N_T3L_N5_AD8N_67) U8.C3(DQ10)
CHA_FPGA_DDR4_C1_D27: U1.AW17(IO_L24N_T3U_N11_67) U8.C7(DQ11)
CHA_FPGA_DDR4_C1_D28: U1.AV14(IO_L23P_T3U_N8_67) U8.C2(DQ12)
CHA_FPGA_DDR4_C1_D29: U1.AT17(IO_L20P_T3L_N2_AD1P_67) U8.C8(DQ13)
CHA_FPGA_DDR4_C1_D30: U1.AU15(IO_L21P_T3L_N4_AD8P_67) U8.D3(DQ14)
CHA_FPGA_DDR4_C1_D31: TP18.1(PIN1) U1.AT16(IO_L20N_T3L_N3_AD1N_67) U8.D7(DQ15)
CHA_FPGA_DDR4_C1_D32: U1.AH19(IO_L3P_T0L_N4_AD15P_66) U9.G2(DQ0)
CHA_FPGA_DDR4_C1_D33: U1.AH21(IO_L5P_T0U_N8_AD14P_66) U9.F7(DQ1)
CHA_FPGA_DDR4_C1_D34: U1.AJ19(IO_L3N_T0L_N5_AD15N_66) U9.H3(DQ2)
CHA_FPGA_DDR4_C1_D35: U1.AJ21(IO_L5N_T0U_N9_AD14N_66) U9.H7(DQ3)
CHA_FPGA_DDR4_C1_D36: U1.AF20(IO_L2N_T0L_N3_66) U9.H2(DQ4)
CHA_FPGA_DDR4_C1_D37: U1.AJ22(IO_L6N_T0U_N11_AD6N_66) U9.H8(DQ5)
CHA_FPGA_DDR4_C1_D38: U1.AF21(IO_L2P_T0L_N2_66) U9.J3(DQ6)
CHA_FPGA_DDR4_C1_D39: U1.AH22(IO_L6P_T0U_N10_AD6P_66) U9.J7(DQ7)
CHA_FPGA_DDR4_C1_D40: U1.AK19(IO_L8N_T1L_N3_AD5N_66) U9.A3(DQ8)
CHA_FPGA_DDR4_C1_D41: U1.AM22(IO_L9N_T1L_N5_AD12N_66) U9.B8(DQ9)
CHA_FPGA_DDR4_C1_D42: U1.AL20(IO_L12P_T1U_N10_GC_66) U9.C3(DQ10)
CHA_FPGA_DDR4_C1_D43: U1.AL22(IO_L9P_T1L_N4_AD12P_66) U9.C7(DQ11)
CHA_FPGA_DDR4_C1_D44: U1.AM20(IO_L12N_T1U_N11_GC_66) U9.C2(DQ12)
CHA_FPGA_DDR4_C1_D45: U1.AK20(IO_L8P_T1L_N2_AD5P_66) U9.C8(DQ13)
CHA_FPGA_DDR4_C1_D46: U1.AN19(IO_L11N_T1U_N9_GC_66) U9.D3(DQ14)
CHA_FPGA_DDR4_C1_D47: TP23.1(PIN1) U1.AM19(IO_L11P_T1U_N8_GC_66) U9.D7(DQ15)
CHA_FPGA_DDR4_C1_D48: U1.AP19(IO_L18P_T2U_N10_AD2P_66) U11.G2(DQ0)
CHA_FPGA_DDR4_C1_D49: U1.AR20(IO_L17P_T2U_N8_AD10P_66) U11.F7(DQ1)
CHA_FPGA_DDR4_C1_D50: U1.AR19(IO_L15P_T2L_N4_AD11P_66) U11.H3(DQ2)
CHA_FPGA_DDR4_C1_D51: U1.AN20(IO_L14N_T2L_N3_GC_66) U11.H7(DQ3)
CHA_FPGA_DDR4_C1_D52: U1.AR18(IO_L15N_T2L_N5_AD11N_66) U11.H2(DQ4)
CHA_FPGA_DDR4_C1_D53: U1.AN21(IO_L14P_T2L_N2_GC_66) U11.H8(DQ5)
CHA_FPGA_DDR4_C1_D54: U1.AP18(IO_L18N_T2U_N11_AD2N_66) U11.J3(DQ6)
CHA_FPGA_DDR4_C1_D55: U1.AT20(IO_L17N_T2U_N9_AD10N_66) U11.J7(DQ7)
CHA_FPGA_DDR4_C1_D56: U1.AW21(IO_L24N_T3U_N11_66) U11.A3(DQ8)
CHA_FPGA_DDR4_C1_D57: U1.AU19(IO_L23P_T3U_N8_66) U11.B8(DQ9)
CHA_FPGA_DDR4_C1_D58: U1.AV19(IO_L21P_T3L_N4_AD8P_66) U11.C3(DQ10)
CHA_FPGA_DDR4_C1_D59: U1.AW22(IO_L24P_T3U_N10_66) U11.C7(DQ11)
CHA_FPGA_DDR4_C1_D60: U1.AW19(IO_L21N_T3L_N5_AD8N_66) U11.C2(DQ12)
CHA_FPGA_DDR4_C1_D61: U1.AU22(IO_L20N_T3L_N3_AD1N_66) U11.C8(DQ13)
CHA_FPGA_DDR4_C1_D62: U1.AU18(IO_L23N_T3U_N9_66) U11.D3(DQ14)
CHA_FPGA_DDR4_C1_D63: TP28.1(PIN1) U1.AT22(IO_L20P_T3L_N2_AD1P_66) U11.D7(DQ15)
CHA_FPGA_DDR4_C1_D64: U1.AP9(IO_L14P_T2L_N2_GC_68) U10.G2(DQ0)
CHA_FPGA_DDR4_C1_D65: U1.AT10(IO_L17N_T2U_N9_AD10N_68) U10.F7(DQ1)
CHA_FPGA_DDR4_C1_D66: U1.AP8(IO_L14N_T2L_N3_GC_68) U10.H3(DQ2)
CHA_FPGA_DDR4_C1_D67: U1.AR11(IO_L15P_T2L_N4_AD11P_68) U10.H7(DQ3)
CHA_FPGA_DDR4_C1_D68: U1.AP11(IO_L18N_T2U_N11_AD2N_68) U10.H2(DQ4)
CHA_FPGA_DDR4_C1_D69: U1.AT11(IO_L15N_T2L_N5_AD11N_68) U10.H8(DQ5)
CHA_FPGA_DDR4_C1_D70: U1.AR10(IO_L17P_T2U_N8_AD10P_68) U10.J3(DQ6)
CHA_FPGA_DDR4_C1_D71: TP21.1(PIN1) U1.AP12(IO_L18P_T2U_N10_AD2P_68) U10.J7(DQ7)
CHA_FPGA_DDR4_C1_D72: U1.AW11(IO_L21N_T3L_N5_AD8N_68) U10.A3(DQ8)
CHA_FPGA_DDR4_C1_D73: U1.AW13(IO_L23P_T3U_N8_68) U10.B8(DQ9)
CHA_FPGA_DDR4_C1_D74: U1.AV11(IO_L21P_T3L_N4_AD8P_68) U10.C3(DQ10)
CHA_FPGA_DDR4_C1_D75: U1.AW12(IO_L23N_T3U_N9_68) U10.C7(DQ11)
CHA_FPGA_DDR4_C1_D76: U1.AV10(IO_L20N_T3L_N3_AD1N_68) U10.C2(DQ12)
CHA_FPGA_DDR4_C1_D77: U1.AV12(IO_L24N_T3U_N11_68) U10.C8(DQ13)
CHA_FPGA_DDR4_C1_D78: U1.AU10(IO_L20P_T3L_N2_AD1P_68) U10.D3(DQ14)
CHA_FPGA_DDR4_C1_D79: TP22.1(PIN1) U1.AU13(IO_L24P_T3U_N10_68) U10.D7(DQ15)
CHA_FPGA_DDR4_C1_DM0: U1.AG14(IO_L1P_T0L_N0_DBC_67) U7.E7(LDM_N/LDBI_N)
